# Altium PCB ECU rev B pcb.PcbDoc (part 5 of 6)
Units mil, origin at the board's own origin, x right, y up, seen from the top; angles counter-clockwise.
Board outline 5590.55 x 4937.67 mil, 4 copper layers (Top Layer, GND, Power, Bottom Layer), stack 23.756 mil thick; 577 components, 350 nets, 1799 pads, 680 vias.
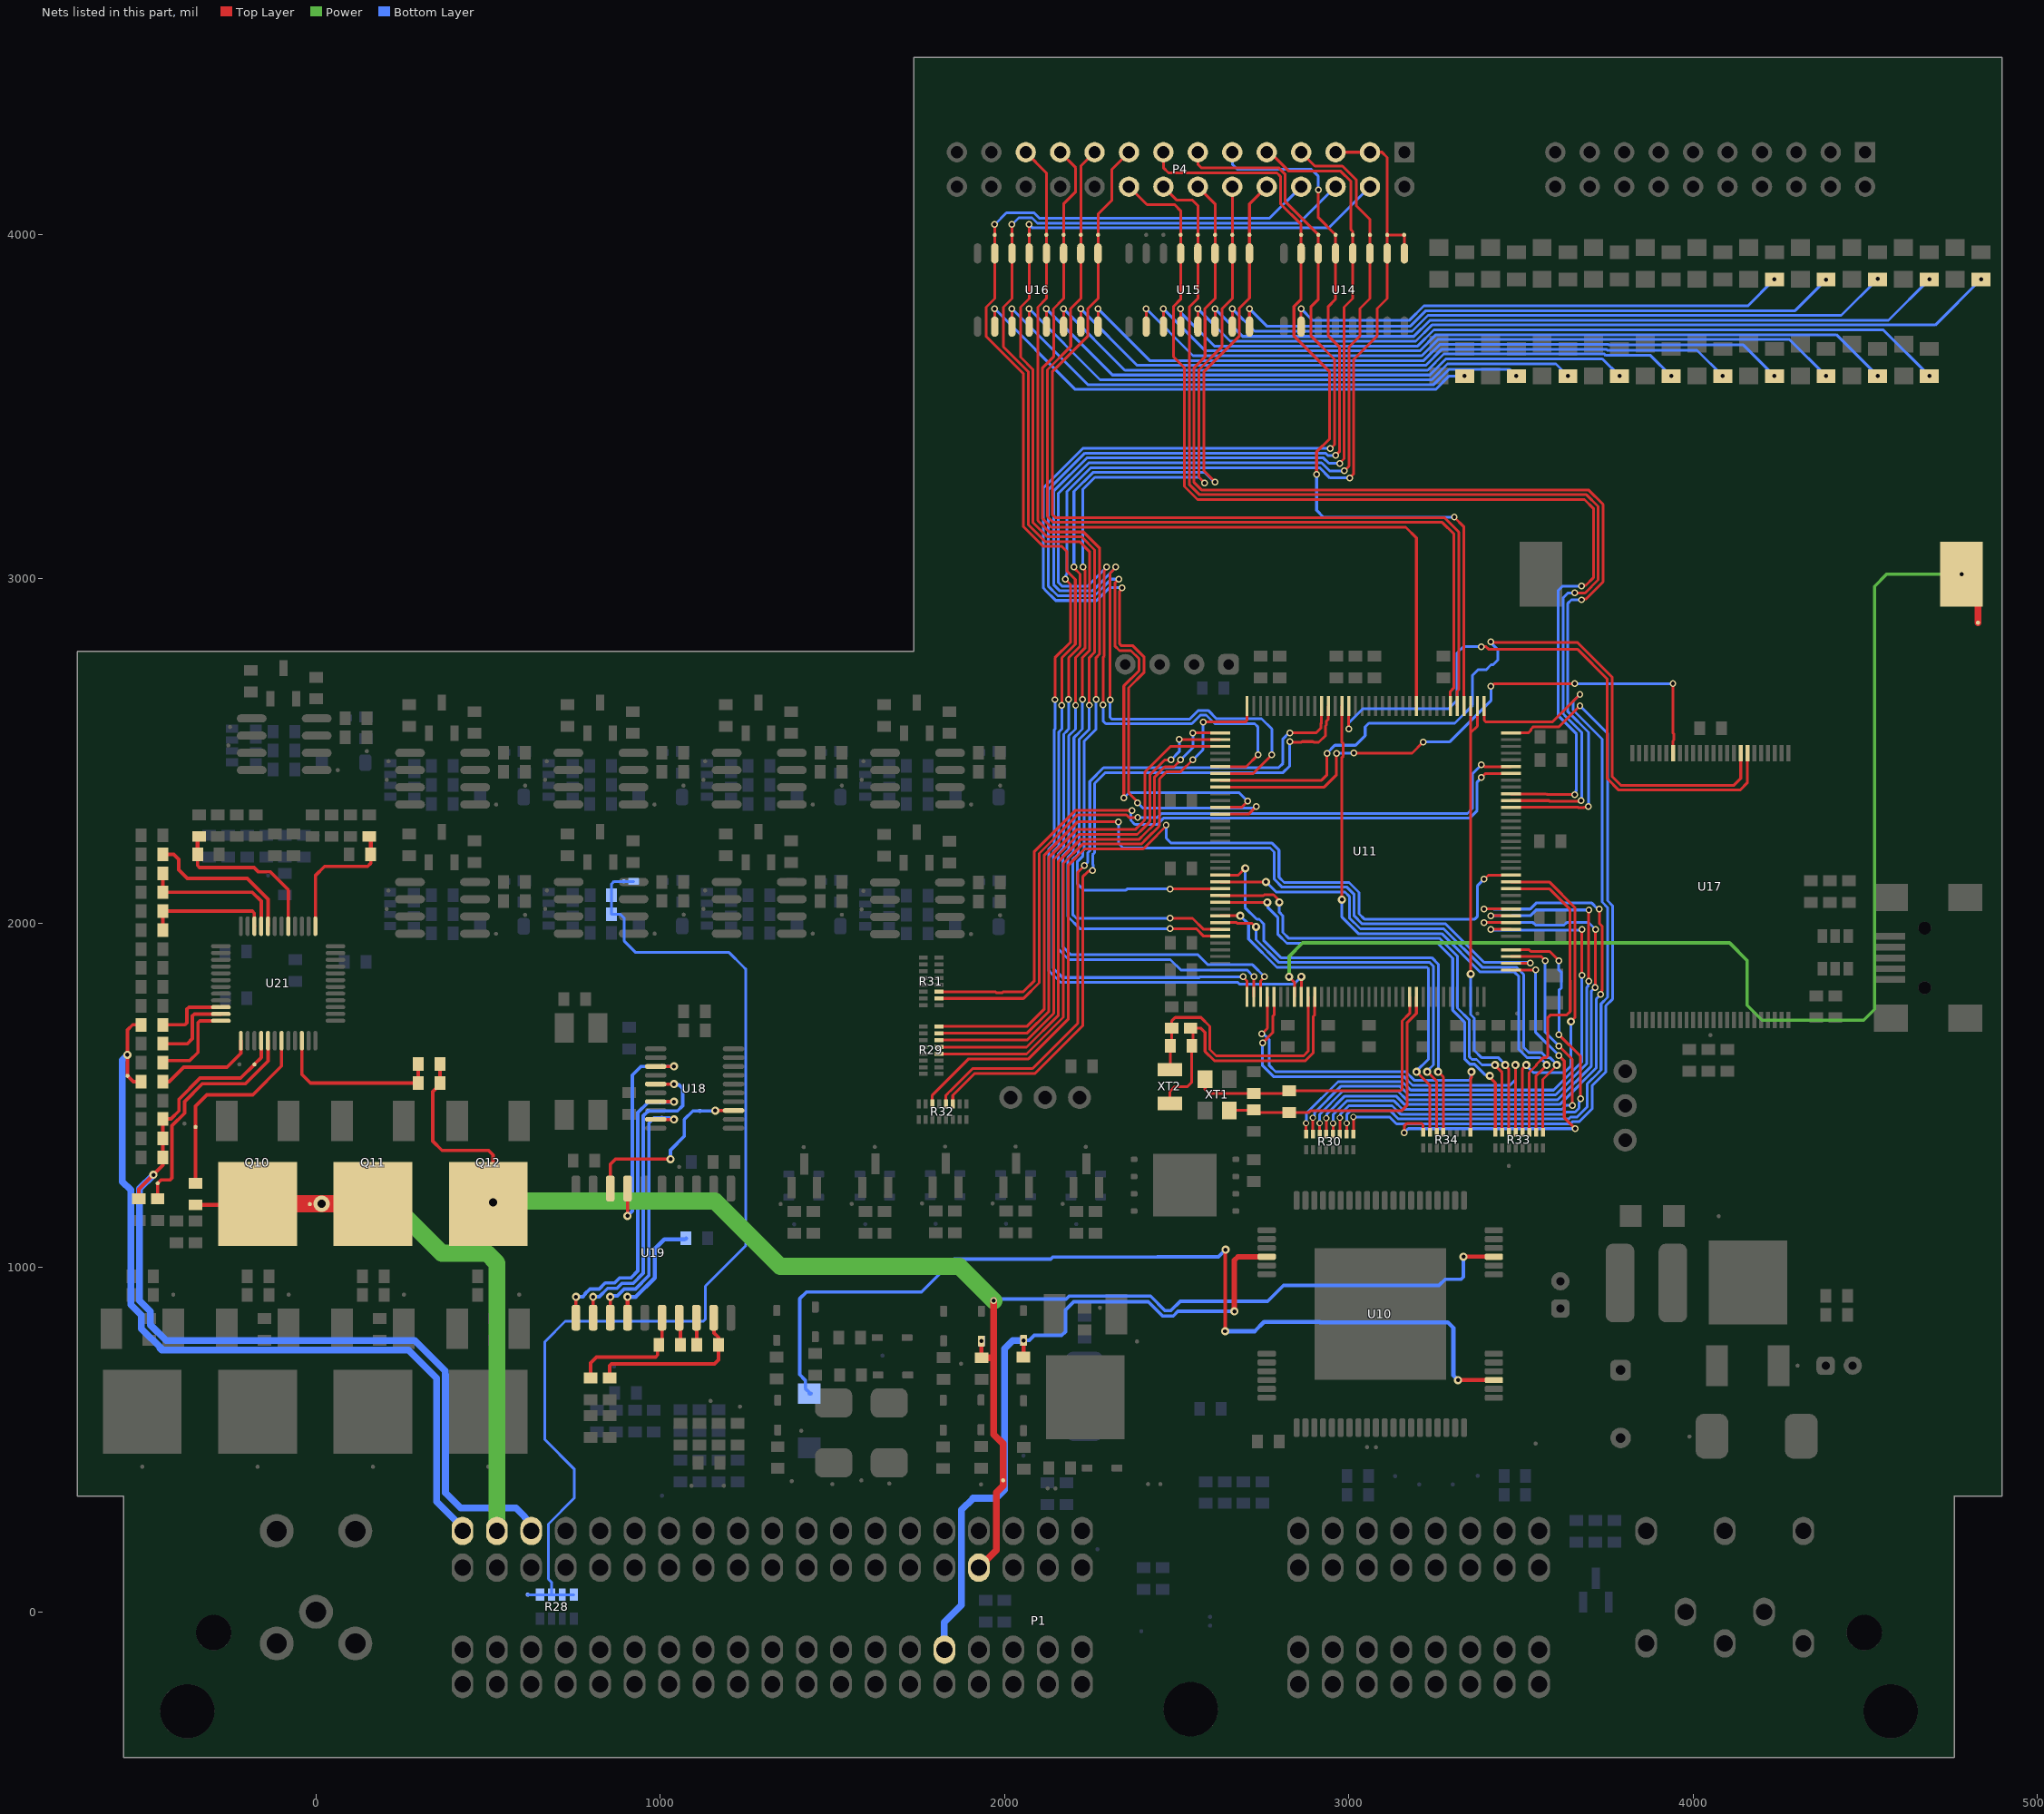
[diagram p7: the nets of this part, all layers, seen from the top]

## Via types
v1: diameter 23.62, hole 11.81, Top Layer to Bottom Layer, tented both sides, 321 vias
v2: diameter 19.68, hole 11.81, Top Layer to Bottom Layer, tented both sides, 296 vias
v3: diameter 23.62, hole 15.75, Top Layer to Bottom Layer, 49 vias
v4: diameter 17.72, hole 11.81, Top Layer to Bottom Layer, tented both sides, 8 vias
v5: diameter 47.24, hole 23.62, Top Layer to Bottom Layer, tented both sides, 2 vias
v6: diameter 236.22, hole 165.35, Top Layer to Bottom Layer, 2 vias
v7: diameter 236.22, hole 165.35, Top Layer to Bottom Layer, tented both sides, 1 vias
v8: diameter 23.62, hole 11.81, Top Layer to Bottom Layer, 1 vias

## Nets (pads, with @x,y where several pads share a name; then routed paths per layer and width w, separated by ;. In a path a pad name is that pad's centre, name@x,y a point inside that pad or via, vN(x,y) a via of type N, cw(c..) or ccw(c..) an arc to the next point about the centre after c; other vN are vias at no path point) (continued)
NetR58_1: R58.1 U14.10 | length 1489.8
  Top Layer w8: U14.10@2861.83,3732.97 v2(2861.83,3784.27)
  Bottom Layer w8: v2(2861.83,3784.27) 2895.67,3750.43 3175.84,3750.43 3218.69,3793.27 4160.12,3793.27 v2(4236.83,3869.98)
NetR59_1: R59.1 U15.16 | length 1802.9
  Top Layer w8: U15.16@2711.83,3732.97 v2(2711.83,3784.27)
  Bottom Layer w8: v2(2711.83,3784.27) 2761.83,3734.27 3179.49,3734.27 3224.49,3779.27 4296.83,3779.27 v2(4386.83,3869.27)
NetR60_1: R60.1 U16.16 | length 2136
  Top Layer w8: U16.16@2271.83,3732.97 v2(2271.83,3784.27)
  Bottom Layer w8: v2(2271.83,3784.27) 2421.83,3634.27 3218.08,3634.27 3265.08,3681.27 3754.22,3681.27 3756.22,3679.27 4146.83,3679.27 v2(4236.83,3589.27)
NetR61_1: R61.1 U15.15 | length 2016.1
  Top Layer w8: U15.15@2661.83,3732.97 v2(2661.83,3784.27)
  Bottom Layer w8: v2(2661.83,3784.27) 2664,3782.1 2664.1,3781.99 2726.83,3719.27 3184.29,3719.27 3230.29,3765.27 4431.12,3765.27 v2(4536.83,3870.98)
NetR62_1: R62.1 U16.15 | length 2036
  Top Layer w8: U16.15@2221.83,3732.97 v2(2221.83,3784.27)
  Bottom Layer w8: v2(2221.83,3784.27) 2385.83,3620.27 3223.88,3620.27 3270.88,3667.27 3748.42,3667.27 3751.42,3664.27 4011.83,3664.27 v2(4086.83,3589.27)
NetR63_1: R63.1 U15.14 | length 2228.1
  Top Layer w8: U15.14@2611.83,3732.97 v2(2611.83,3784.27)
  Bottom Layer w8: v2(2611.83,3784.27) 2691.83,3704.27 3189.08,3704.27 3236.08,3751.27 4568.12,3751.27 v2(4686.83,3869.98)
NetR64_1: R64.1 U16.14 | length 1936
  Top Layer w8: U16.14@2171.83,3732.97 v2(2171.83,3784.27)
  Bottom Layer w8: v2(2171.83,3784.27) 2349.83,3606.27 3229.68,3606.27 3276.68,3653.27 3742.63,3653.27 3746.63,3649.27 3876.83,3649.27 v2(3936.83,3589.27)
NetR65_1: R65.1 U15.13 | length 2439.7
  Top Layer w8: U15.13@2561.83,3732.97 v2(2561.83,3784.27)
  Bottom Layer w8: v2(2561.83,3784.27) 2655.83,3690.27 3194.88,3690.27 3241.88,3737.27 4704.12,3737.27 v2(4836.83,3869.98)
NetR66_1: R66.1 U16.13 | length 1836
  Top Layer w8: U16.13@2121.83,3732.97 v2(2121.83,3784.27)
  Bottom Layer w8: v2(2121.83,3784.27) 2313.83,3592.27 3235.47,3592.27 3282.48,3639.27 3736.83,3639.27 v2(3786.83,3589.27)
NetR67_1: R67.1 U15.12 | length 2351.9
  Top Layer w8: U15.12@2511.83,3732.97 v2(2511.83,3784.27)
  Bottom Layer w8: v2(2511.83,3784.27) 2511.83,3774.27 2609.83,3676.27 3200.68,3676.27 3247.68,3723.27 4552.83,3723.27 v2(4686.83,3589.27)
NetR68_1: R68.1 U16.12 | length 1735.2
  Top Layer w8: U16.12@2071.83,3732.97 v2(2071.83,3784.27)
  Bottom Layer w8: v2(2071.83,3784.27) 2277.83,3578.27 3241.27,3578.27 3287.27,3624.27 3601.83,3624.27 v2(3636.83,3589.27)
NetR69_1: R69.1 U15.11 | length 2246
  Top Layer w8: U15.11@2461.83,3732.97 v2(2461.83,3784.27)
  Bottom Layer w8: v2(2461.83,3784.27) 2583.83,3662.27 3206.48,3662.27 3253.48,3709.27 4416.83,3709.27 v2(4536.83,3589.27)
NetR70_1: R70.1 U16.11 | length 1634.4
  Top Layer w8: U16.11@2021.83,3732.97 v2(2021.83,3784.27)
  Bottom Layer w8: v2(2021.83,3784.27) 2241.83,3564.27 3247.07,3564.27 3292.07,3609.27 3466.83,3609.27 v2(3486.83,3589.27)
NetR71_1: R71.1 U15.10 | length 2146
  Top Layer w8: U15.10@2411.83,3732.97 v2(2411.83,3784.27)
  Bottom Layer w8: v2(2411.83,3784.27) 2547.83,3648.27 3212.28,3648.27 3259.28,3695.27 4280.83,3695.27 v2(4386.83,3589.27)
NetR72_1: R72.1 U16.10 | length 1529.4
  Top Layer w8: U16.10@1971.83,3732.97 v2(1971.83,3784.27)
  Bottom Layer w8: v2(1971.83,3784.27) 2205.83,3550.27 3252.87,3550.27 3291.87,3589.27 v2(3336.83,3589.27)
NetR73_2: R73.2 U19.14 | length 350.5
  Top Layer w12: U19.14@905.12,854.33 v1@905.12,915
  Bottom Layer w12: v1(905,915) 929.3,915 984,969.7 984,1054 1011.49,1081.49 1071.49,1081.49 R73.2@1075,1085
NetR74_2: R74.2 R75.1 U19.19 | length 487
  Top Layer w10: R74.2@852.73,679.4 852.73,714.61 858.58,720.47 1157.48,720.47 1169.29,732.28 1169.29,797 1156.2,810.09 1156.2,853.25 U19.19@1155.12,854.33
NetR75_2: R75.2 U19.18 | length 79.2
  Top Layer w10: U19.18@1105.12,854.33 1106.3,853.15 R75.2@1106.3,775.59
NetR76_2: R76.2 R77.1 U19.16 | length 361.3
  Top Layer w10: R76.2@797.73,679.4 797.73,722.92 814.96,740.16 986.41,740.16 992.26,746.02 992.26,771.79 1005.12,784.65 U19.16@1005.12,854.33
NetR77_2: R77.2 U19.17 | length 80.4
  Top Layer w10: U19.17@1055.12,854.33 1059.06,850.39 R77.2@1059.06,775.59
NetR93_2: R93.2 R95.2 U21.29 | length 484.6
  Top Layer w10: R95.2@-343.94,2200 -343.94,2167.86 -338.08,2162 -179.63,2162 -166.63,2149 -131.85,2149 -80.47,2097.62 U21.29@-80.47,1991.34
  Top Layer w12: R95.2@-343.94,2200 -343.94,2248.07 R93.2@-340,2252.01
NetR94_2: R94.2 R96.2 U21.25 | length 402.2
  Top Layer w10: U21.25@-1.73,1991.34 -1.73,2138.27 25,2165 150,2165 159.06,2174.06 R96.2@159.06,2200
  Top Layer w12: R94.2@155,2252.01 159.06,2247.95 R96.2@159.06,2200
NetR102_1: R102.1 TP121.0 U21.7 | length 595.4
  Top Layer w10: R102.1@-350,1245 TP121.0@-350,1408.13 -350,1468.81 -316.86,1501.94 -183.35,1501.94 -100.16,1585.13 U21.7@-100.16,1658.66
NetR103_1: R103.1 TP123.0 U21.5 | length 680
  Top Layer w10: R103.1@-460,1200 TP123.0@-460,1244.68 -450.32,1254.37 -424.11,1254.37 -418.25,1260.22 -418.25,1412.01 -382,1448.26 -382,1482.06 -330.12,1533.94 -205.17,1533.94 -139.53,1599.59 U21.5@-139.53,1658.66
NetR104_1: R104.1 U21.48 | length 269.6
  Top Layer w10: R104.1@-445,1595 -439.15,1600.85 -366.78,1600.85 -342.92,1624.71 -342.92,1710.87 -337.07,1716.73 U21.48@-276.34,1716.73
NetR105_1: R105.1 U21.47 | length 242.8
  Top Layer w10: R105.1@-445,1650 -374.07,1650 -358.92,1665.15 -358.92,1730.56 -353.07,1736.42 U21.47@-276.34,1736.42
NetR106_2: R106.2 R108.2 U21.10 | length 502.1
  Top Layer w10: U21.10@-41.1,1658.66 -41.1,1560.87 -15.98,1535.75 R108.2@297.29,1535.75 R106.2@297.29,1591.21
NetR107_1: R107.1 U21.1 | length 297.4
  Top Layer w10: R107.1@-445,1539.67 -426.67,1539.67 -384.39,1581.94 -258.51,1581.94 -218.27,1622.18 U21.1@-218.27,1658.66
NetR109_1: R109.1 U21.46 | length 212.9
  Top Layer w10: R109.1@-445,1705 -380.78,1705 -374.92,1710.86 -374.92,1750.24 -369.07,1756.1 U21.46@-276.34,1756.1
NetR111_2: R111.2 U21.32 | length 455.4
  Top Layer w10: R111.2@-445,2200 -413.67,2200 -399.1,2185.42 -399.1,2155.16 -373.94,2130 -200,2130 -139.53,2069.53 U21.32@-139.53,1991.34
NetR112_2: R112.2 R113.1 U21.33 | length 424.3
  Top Layer w10: R113.1@-445,2145 R112.2@-445,2090 -185,2090 -159.21,2064.21 U21.33@-159.21,1991.34
NetR114_2: R114.2 R115.1 U21.34 | length 361.1
  Top Layer w10: R115.1@-445,1980 R114.2@-445,2035 -185.1,2035 -179.24,2029.14 -179.24,1991.68 U21.34@-178.9,1991.34
NetTP46_0: C14.2 R7.1 R28.5 R28.6 R28.7 R28.8 TP11.0 TP46.0 VD3.2 | length 3146.4
  Bottom Layer w8: TP46.0@615.16,49.84 R28.5@650.87,49.84 R28.6@683.94,49.84 ; R28.8@748.5,49.84 R28.7@715.43,49.84 R28.6@683.94,49.84 ; VD3.2@922.6,2121.52 TP11.0@894.25,2121.52 865.91,2121.52 858.9,2114.51 C14.2@858.9,2081.52 R7.1@858.9,2026.52 883.48,2026.52 895,2015 895,1948.69 896,1947.69 928.69,1915 1200.2,1915 1240.8,1874.4 1249,1866.2 1249,1063.79 1131,945.79 1131,849.79 1125.21,844 724.2,844 665,784.8 665,500.2 750,415.2 750,330 675,255 675,95 683.94,86.06 R28.6@683.94,49.84
NetTP100_0: TP100.0 U18.3 U19.7 | length 678.9
  Top Layer w10: v1(905,1150) 905,1220 905.12,1220.12 U19.7@905.12,1229.53 ; U18.3@986.81,1583.98 v1(1040,1583.98)
  Bottom Layer w10: v1(905,1150) 919,1164 919,1559 943.98,1583.98 v1(1040,1583.98)
NetTP101_0: TP101.0 U18.5 U19.12 | length 953.3
  Top Layer w10: v1(805,915) 805.12,914.88 U19.12@805.12,854.33 ; U18.5@986.81,1532.8 1033.52,1532.8 1036.31,1530 v1@1040,1530
  Bottom Layer w10: v1(805,915) 822.74,915 847.14,939.4 874.51,939.4 888.92,953.81 897.14,953.81 921.44,953.81 951,983.37 951,1007.67 951,1021 951,1068.37 951,1113.63 951,1441 TP101.0@965,1455 1050,1455 1065,1470 1065,1520 1054.81,1530.19 1042.61,1530.19 v1(1040,1532.8)
NetTP102_0: TP102.0 U18.7 U19.11 | length 893.7
  Top Layer w10: U19.11@755,865 v1(755,915) ; U18.7@986.81,1481.61 v1(1040,1481.61)
  Bottom Layer w10: v1(755,915) 775,915 782.19,922.19 782.19,924.45 795.55,937.81 822.92,937.81 838.92,953.81 840.51,955.4 867.88,955.4 882.3,969.81 914.81,969.81 935,990 935,1450 965,1480 TP102.0@1000,1480 1038.39,1480 v1(1040,1481.61)
NetTP103_0: TP103.0 U18.9 U19.13 | length 775.8
  Top Layer w10: v1(855,915) 855.12,914.88 U19.13@855.12,854.33 ; U18.9@986.81,1430.43 994.57,1430.43 995,1430 v1(1040,1430)
  Bottom Layer w10: v1(855,915) 857.61,917.61 875.35,917.61 895.55,937.81 903.77,937.81 928.07,937.81 967,976.75 967,1001.04 967,1014.37 967,1036.75 967,1041.75 967,1046.75 967,1061.75 967,1107 967,1419.37 982.63,1435 TP103.0@1004.98,1435 1027.33,1435 1029.72,1432.61 1037.39,1432.61 v1(1040,1430)
NetTP104_0: TP104.0 U18.13 U19.8 | length 537.6
  Top Layer w10: U19.8@855.12,1229.53 855.12,1300.12 870,1315 v1(1030,1315) ; v1@1160,1455 1161.02,1456.02 U18.13@1213.19,1456.02
  Bottom Layer w10: v1(1030,1315) 1030,1341.21 1070,1381.21 1070,1430 1095,1455 TP104.0@1115,1455 1158.98,1455 v1(1160,1456.02)
NetTP136_0: TP136.0 U11.8 VBAT1.2 | length 3678.7
  Top Layer w8: v1(2826.77,1844.32) 2842.52,1828.57 U11.8@2842.48,1786.49
  Top Layer w20: v2(4780.31,3013.61) 4828,2965.92 TP136.0@4828,2873
  Power w10: v1(2826.77,1844.32) 2826.77,1903.37 2866.14,1942.74 3728.35,1942.74 4106.3,1942.74 4157.48,1891.56 4157.48,1761.64 4200.79,1718.33 4496.06,1718.33 4527.56,1749.83 4527.56,2978.17 4562.99,3013.61 v2(4780.31,3013.61)
NetU10_23: U10.23 VD10.1 | length 2768.6
  Top Layer w10: v1(2641,815) 2641,1050.44 v1(2642.33,1051.77)
  Top Layer w12: v1(3317.92,673.03) 3317.95,673.07 U10.23@3421.89,673.07
  Bottom Layer w10: VD10.1@1437.01,633.86 1421.49,649.38 1421.49,673 1405.51,688.98 1405.51,909.45 1425.2,929.13 1758.89,929.13 1854.13,1024.38 2134.61,1024.38 2140.89,1030.65 2444.09,1030.65 2444.74,1031.3 2621.85,1031.3 v1(2642.33,1051.77)
  Bottom Layer w12: VD10.1@1433.07,633.86 VD10.1@1437.01,633.86 ; v1(2641,815) 2727.04,815 2753.97,841.93 2915.93,841.93 2916.67,841.19 3287.95,841.19 3304.21,824.93 3304.21,686.74 v1(3317.92,673.03)
NOE: U11.116 U17.8 | length 2264.3
  Top Layer w8: U11.116@2627.17,2415.18 2921.26,2415.18 2937.01,2430.93 v2(2937.01,2493.61) ; v2(3413,2817) 3414,2816 3664.06,2816 3765.43,2714.62 3765.43,2425.68 3790.36,2400.76 4119.43,2400.76 4139.01,2420.33 U17.8@4139.01,2494.16
  Bottom Layer w8: v2(2937.01,2493.61) 2937.01,2494.11 2959.84,2516.95 3019.82,2516.95 3047.84,2544.97 3047.84,2570.24 3058.6,2581 3308,2581 3360,2633 3360,2720.59 3375.41,2736 3398.94,2736 3413.78,2750.84 3419.84,2750.84 3433,2764 3433,2795 3413,2815 v2(3413,2817)
NWAIT: U11.93 U17.7 | length 1850
  Top Layer w8: U11.93@2999.96,2630.49 3000,2630.45 v2(3000,2564.79) ; v2(3385,2803) 3398.94,2803 3405.94,2796 3664.26,2796 3751.43,2708.82 3751.43,2419.88 3784.56,2386.76 4136.93,2386.76 4158.69,2408.52 U17.7@4158.69,2494.16
  Bottom Layer w8: v2(3000,2564.79) 3000,2581.8 3041.2,2623 3290.6,2623 3315,2647.4 3315,2785 3333,2803 v2(3385,2803)
NWE: U11.117 U17.18 | length 1703.9
  Top Layer w8: U11.117@2627.17,2395.5 2929.13,2395.5 2964.57,2430.93 v2(2964.57,2493.61) ; v2(3014.92,2494) 3184,2494 v2@3216,2526 ; v2(3413,2688) 3415.53,2688 3423.53,2696 v2(3657,2696) ; v2(3942,2696) 3942.16,2695.84 3942.16,2552.02 3944.28,2549.9 3944.28,2531.83 3942.16,2529.7 U17.18@3942.16,2494.16
  Bottom Layer w8: v2(2964.57,2493.61) 2964.96,2494 v2(3014.92,2494) ; v2(3216,2526.29) 3292.89,2526.29 3413,2646.4 v2(3413,2688) ; v2(3657,2696) v2(3942,2696)
"O2 Heater1": C114.2 P1.48 TP50.0 U10.56 VD19.2 VD35.1 | length 2065.3
  Top Layer w12: C114.2@2055.2,739.69 v2(2055.2,788.3)
  Top Layer w15: v1(2667.92,872.64) 2667.92,1021.06 2678.19,1031.34 U10.56@2761.89,1031.34
  Bottom Layer w10: v2(2055.2,788.3) 2071.77,788.3 2086.61,803.15 2166.35,803.15 2177.17,813.97 2177.17,876.77 2201.41,901.02 2417.88,901.02 2459.74,859.16 2490.26,859.16 2503.74,872.64 v1(2667.92,872.64)
  Bottom Layer w20: P1.48@1825.59,-109.84 1825,-109.25 1825,-30 1875,20 1875,296.26 1908.74,330 1975.67,330 2000,354.33 TP50.0@2000,639.81 2000,763.78 2024.52,788.3 v2(2055.2,788.3)
"O2 Heater2": C115.2 P1.28 Q12.4 R106.1 R108.1 TP51.0 U10.29 VD20.2 VD36.1 | length 4613.4
  Top Layer w10: R106.1@360.28,1591.21 360.28,1531.81 339.54,1511.06 339.54,1366.85 366.08,1340.31 501.22,1340.31 514.64,1326.89 v5(514.64,1189.17)
  Top Layer w12: C115.2@1933.23,737.95 v2(1933.23,786.57) ; U10.29@3421.89,1031.34 v1(3333.27,1031.3) ; v1(3333.27,1031.3) v1(3333.27,1031.3)
  Top Layer w20: P1.28@1925.59,128.35 1976.38,179.13 1976.38,346.46 1996.06,366.14 TP51.0@1996.06,381.89 1996.06,488.19 1968.5,515.75 1968.5,652.18 1968.91,652.59 1968.91,737.95 ; C115.2@1933.23,737.95 1968.91,737.95 ; v2(1969,903.43) 1968.91,903.34 1968.91,737.95
  Power w50: v5(514.64,1189.17) 518.28,1192.81 1159.19,1192.81 1349,1003 1869.43,1003 v2(1969,903.43)
  Bottom Layer w10: v2(1969,903.43) 1971.62,903.43 1976.46,908.27 2179.5,908.27 2188.25,917.02 2424.51,917.02 2466.37,875.16 2483.63,875.16 2510.53,902.06 2764.68,902.06 2810.63,948 3262.27,948 3280.27,966 3327,966 3333.27,972.27 v1(3333.27,1031.3)
"O2 Pump": P1.23 Q10.4 Q11.4 R102.2 TP120.0 | length 1883.7
  Top Layer w12: R102.2@-350,1182.01 -171.89,1182.01 Q10.4@-169.61,1184.29 -115.71,1184.29 Q10.4@-115,1185
  Top Layer w50: Q10.4@-115,1185 164.69,1185 Q11.4@165.39,1184.29 Q11.4@165.39,1176.42
  Power w50: v5(15.75,1185.04) 221.96,1185.04 365,1042 496.3,1042 525.59,1012.71 P1.23@525.59,235.04
"O2 Ref": C107.1 C108.2 C109.2 C110.2 P1.22 TP124.0 U21.4 | length 2727.8
  Top Layer w10: C109.2@-515,1200 -515,1227.13 -472.66,1269.47 -445,1297.13 C107.1@-445,1320 C110.2@-445,1375 C108.2@-445,1431.65 -421.24,1431.65 -398,1454.88 -398,1488.69 -336.75,1549.94 -218.95,1549.94 TP124.0@-178.9,1589.97 ; TP124.0@-178.55,1590.31 -178.55,1590.67 -159.21,1610.01 U21.4@-159.21,1658.66
  Bottom Layer w20: v1(-472.47,1269.28) -512.36,1229.39 -512.36,903.46 -481.19,872.29 -481.19,833.44 -435.28,787.54 286.87,787.54 375,699.4 375,690.09 376,689.09 376,345.91 420.47,301.44 581.22,301.44 606.28,276.38 606.28,275.82 625.59,256.52 P1.22@625.59,235.04
"O2 Tag": P1.24 R107.2 R109.2 TP126.0 | length 2450.4
  Top Layer w10: R107.2@-507.99,1539.67 -530.43,1539.67 TP126.0@-547.59,1556.83 -547.59,1690.15 -532.74,1705 R109.2@-507.99,1705
  Bottom Layer w20: v1(-548.17,1618.03) -548.17,1617.05 -562.5,1602.72 -562.5,1249.7 -538.36,1225.56 -538.36,892.69 -507.19,861.52 -507.19,822.67 -446.05,761.54 ; -453.18,765.62 -447.56,760 268.32,760 350,678.32 350,320.47 425.59,244.88 P1.24@425.59,235.04
OSC32_IN: C64.1 R41.1 U11.10 XT2.1 | length 793
  Top Layer w8: XT2.1@2480.31,1574.63 2481.5,1575.82 R41.1@2481.5,1643.53 2485.44,1647.47 C64.1@2485.44,1694.71 2485.44,1715.58 2496.06,1726.21 2570.87,1726.21 2596.68,1700.39 2596.68,1633.47 2615.07,1615.07 2869.07,1615.07 2881.89,1627.89 U11.10@2881.89,1786.45
OSC32_OUT: C65.1 R41.2 U11.11 XT2.2 | length 873.3
  Top Layer w8: XT2.2@2480.31,1476.21 2480.31,1511.28 2494.46,1525.42 2531.5,1525.42 2543.31,1537.23 2543.31,1642.34 R41.2@2544.5,1643.53 2547.24,1646.28 2547.24,1688.02 C65.1@2540.56,1694.71 2570.87,1694.71 2582.68,1682.9 2582.68,1627.67 2610.12,1600.22 2874.02,1600.22 2897.22,1623.43 2897.22,1729.5 2901.54,1733.82 U11.11@2901.54,1786.49
OSC_IN: C62.1 R40.1 U11.25 XT1.1 | length 889.4
  Top Layer w8: XT1.1@2582.26,1546.87 2582.26,1545.52 2582.68,1545.1 2582.68,1517.54 2594.49,1505.73 C62.1@2724.41,1505.73 2818.9,1505.73 R40.1@2826.77,1513.61 3150.61,1513.61 3155.29,1518.29 3155.29,1716.26 3177.13,1738.09 U11.25@3177.13,1786.49
OSC_OUT: C63.1 R40.2 U11.26 XT1.2 | length 854.3
  Top Layer w8: XT1.2@2653.12,1456.32 2722.24,1456.32 2727.95,1450.62 2884.85,1450.62 2890.24,1456 3154.99,1456 3169.29,1470.3 3169.29,1710.46 3196.81,1737.98 U11.26@3196.81,1786.49
PA0: R34.8 U11.37 | length 1183.5
  Top Layer w8: v2(3161.42,1391.56) 3161.42,1411.25 3169.29,1419.12 3211.42,1419.12 3216.1,1414.43 R34.8@3216.1,1392.64 ; U11.37@3471.17,1864 v2(3543.31,1864) ; v2(3610.24,1615.97) 3626.42,1599.78 3626.42,1435.19 v2(3658.24,1403.37)
  Bottom Layer w8: v2(3161.42,1391.56) 3173.23,1403.37 v2(3658.24,1403.37) ; v2(3543.31,1864) 3543.31,1682.9 v2(3610.24,1615.97)
PA1: R29.8 U11.38 | length 2571
  Top Layer w8: R29.8@1810,1700 2065,1700 2115,1750 2115,2196.96 2212.62,2294.57 v2(2331.57,2294.57) ; U11.38@3471.36,1883.87 3527.08,1883.87 v2(3527.26,1884.06)
  Bottom Layer w8: v2(2331.57,2294.57) 2331.57,2231.43 2344.67,2218.33 2771.65,2218.33 2783.46,2206.52 2783.46,2127.78 2806.71,2104.54 2995.15,2104.54 3016.13,2083.56 3016.13,2021.33 3039.58,1997.88 3281.8,1997.88 3393.42,1886.25 3525,1886.25 v2@3527.23,1884.02
PA2: R30.4 U11.39 | length 1346
  Top Layer w8: R30.4@2954.84,1387.64 v4(2954.84,1418.62) ; U11.39@3471.17,1903.37 3518.51,1903.37 3519.04,1903.9 3558.53,1903.9 v2(3570.87,1891.56) ; v2(3610.49,1643.78) 3649.61,1604.66 v2(3649.61,1471.06) v2@3649.61,1466.36